# Altium PCB TIMESTICK_2.1.PcbDoc (part 1 of 2) (continued)
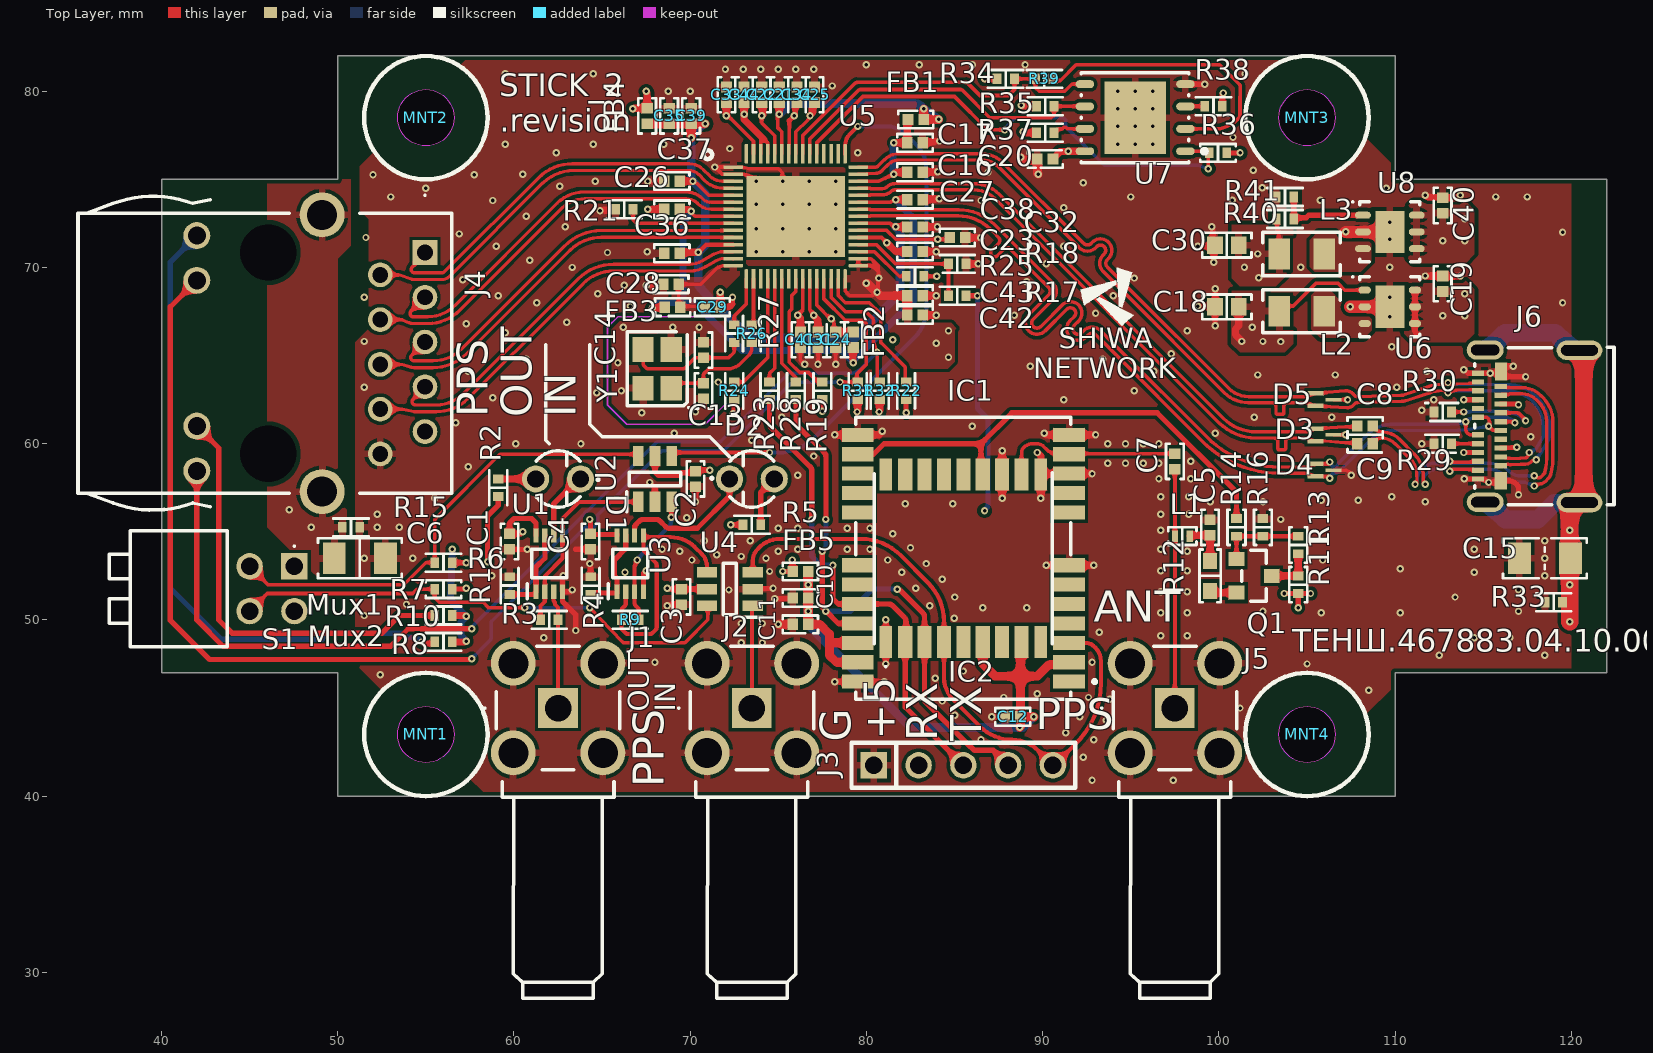
[diagram p0: Top Layer view]
## Components (designator, comment, footprint, x,y, rotation, side; value= is the part's Value field where it differs from the comment)
C1 "0.1 µF" "CAP 0402_1005" 59.75,54.45 r90 top
C2 "0.1 µF" "CAP 0402_1005" 70.3,58 r90 top
C3 "0.1 µF" "CAP 0402_1005" 69.5,51.31 r90 top
C4 "0.1 µF" "CAP 0402_1005" 64.344,54.448 r90 top
C5 "10000 pF" "CAP 0402_1005" 99.5,55.25 r270 top
C6 "1000 pF/2kV" "CAP 1206_3216 - 0.8MM" 51.25,53.5 r0 top
C7 "47 pF" "CAP 0402_1005" 97.5,59 r90 top
C8 "0.1 µF" "CAP 0402_1005" 108.3,61 r180 top
C9 "0.1 µF" "CAP 0402_1005" 108.3,60 r180 top
C10 "1 µF" "CAP 0402_1005" 76.25,51.25 r0 top
C11 "0.1 µF" "CAP 0402_1005" 76.25,49.75 r0 top
C12 "0.1 µF" "CAP 0402_1005" 88.3,44.5 r0 top
C13 "15 pF" "CAP 0402_1005" 70.75,63 r90 top
C14 "15 pF" "CAP 0402_1005" 70.75,65.31 r270 top
C15 "1000 pF/2kV" "CAP 1206_3216 - 0.8MM" 118.5,53.5 r0 top
C16 "1 µF" "CAP 0402_1005" 82.756,75.4 r180 top
C17 "0.1 µF" "CAP 0402_1005" 82.756,77.075 r180 top
C18 "22 µF" "CAP 0603_1608" 100.45,67.767 r0 top
C19 "4.7 µF" "CAP 0402_1005" 112.7,69.077 r270 top
C20 "0.1 µF" "CAP 0402_1005" 90.144,76.15 r0 top
C21 "4.7 µF" "CAP 0402_1005" 75.056,79.8 r270 top
C22 "4.7 µF" "CAP 0402_1005" 74.056,79.8 r270 top
C23 "0.1 µF" "CAP 0402_1005" 82.756,70.9 r180 top
C24 "0.1 µF" "CAP 0402_1005" 78.256,65.9 r90 top
C25 "0.1 µF" "CAP 0402_1005" 77.056,79.8 r270 top
C26 "0.1 µF" "CAP 0402_1005" 68.956,73.3 r0 top
C27 "0.1 µF" "CAP 0402_1005" 82.766,73.85 r180 top
C28 "0.1 µF" "CAP 0402_1005" 68.906,69.05 r0 top
C29 "0.1 µF" "CAP 0402_1005" 71.25,67.75 r180 top
C30 "22 µF" "CAP 0603_1608" 100.45,71.267 r0 top
C31 "0.1 µF" "CAP 0402_1005" 77.256,65.9 r90 top
C32 "0.1 µF" "CAP 0402_1005" 85.156,71.7 r180 top
C33 "0.1 µF" "CAP 0402_1005" 72.056,79.8 r270 top
C34 "0.1 µF" "CAP 0402_1005" 76.056,79.8 r270 top
C35 "4.7 µF" "CAP 0402_1005" 68.806,78.6 r270 top
C36 "0.1 µF" "CAP 0402_1005" 68.956,70.8 r0 top
C37 "0.1 µF" "CAP 0402_1005" 68.956,74.9 r0 top
C38 "0.1 µF" "CAP 0402_1005" 82.756,72.3 r180 top
C39 "0.1 µF" "CAP 0402_1005" 70.056,78.6 r270 top
C40 "4.7 µF" "CAP 0402_1005" 112.7,73.517 r270 top
C41 "0.1 µF" "CAP 0402_1005" 76.256,65.9 r90 top
C42 "0.1 µF" "CAP 0402_1005" 82.756,67.3 r180 top
C43 "0.1 µF" "CAP 0402_1005" 82.756,68.4 r180 top
C44 "0.1 µF" "CAP 0402_1005" 73.056,79.8 r270 top
D1 "L-1154GT" LED_3MM_GREEN 62.5,58 r180 top locked
D2 "L-1154GT" LED_3MM_GREEN 73.5,58 r0 top locked
D3 "TPD2EUSB30" SOT35P100X50-3N 106,60.5 r0 top
D4 "TPD2EUSB30" SOT35P100X50-3N 106,58.5 r0 top
D5 "TPD2EUSB30" SOT35P100X50-3N 106,62.5 r0 top
FB1 "80 Ohms @ 100 MHz" "FER 0402_1005" 82.8,78.4 r180 top
FB2 "80 Ohms @ 100 MHz" "FER 0402_1005" 79.256,65.9 r270 top
FB3 "80 Ohms @ 100 MHz" "FER 0402_1005" 69,67.75 r180 top
FB4 "80 Ohms @ 100 MHz" "FER 0402_1005" 67.556,78.6 r270 top
FB5 "80 Ohms @ 100 MHz" "FER 0402_1005" 76.25,52.75 r0 top
IC1 "NEO-M9N-00B" NEOM9N00B 85.5,53.5 r0 top locked
IC2 "MAX-M10M-00B" MAXM10M00B 85.5,53.5 r270 top
J1 "RF2-49B-T-00-50-G-HDW" RF249BT0050GHDW 62.5,45 r0 top locked
J2 "RF2-49B-T-00-50-G-HDW" RF249BT0050GHDW 73.5,45 r0 top locked
J3 "PBS-5" PBS-5 85.5,41.75 r0 top
J4 "ARJM11B1-805-AB-EW2" ARJM11B1805ABEW2 54.95,70.85 r270 top locked
J5 "RF2-49B-T-00-50-G-HDW" RF249BT0050GHDW 97.5,45 r0 top locked
J6 "1054500101" "Molex 1054500101" 115.355,61 r90 top locked
L1 "27 nH" "Murata LQG15 0402" 97.925,54.75 r180 top
L2 "3.3µH" "IND 1008_2520" 104.7,67.517 r180 top
L3 "3.3µH" "IND 1008_2520" 104.7,70.767 r180 top
MNT1 "MOUNT_HOLE" MOUNT_3mm 55,43.5 r0 top locked
MNT2 "MOUNT_HOLE" MOUNT_3mm 55,78.5 r0 top locked
MNT3 "MOUNT_HOLE" MOUNT_3mm 105,78.5 r0 top locked
MNT4 "MOUNT_HOLE" MOUNT_3mm 105,43.5 r0 top locked
Q1 "DMG2302UKQ-7" "DIODES SOT-23-3" 102,52.5 r0 top
R1 "4.7 kOhms" "YAGEO RES 0402_1005" 59.75,51.95 r90 top
R2 "4.7 kOhms" "YAGEO RES 0402_1005" 59.1,57.5 r270 top
R3 "0 Ohms" "YAGEO RES 0402_1005" 62,50 r180 top
R4 "4.7 kOhms" "YAGEO RES 0402_1005" 64.344,51.948 r270 top
R5 "4.7 kOhms" "YAGEO RES 0402_1005" 73.5,55.4 r180 top
R6 "10 kOhms" "YAGEO RES 0402_1005" 56,53.25 r0 top
R7 "10 kOhms" "YAGEO RES 0402_1005" 56,51.75 r0 top
R8 "330 Ohms" "YAGEO RES 0402_1005" 56,48.75 r0 top
R9 "0 Ohms" "YAGEO RES 0402_1005" 66.6,50 r0 top
R10 "330 Ohms" "YAGEO RES 0402_1005" 56,50.25 r0 top
R11 "0 Ohms" "YAGEO RES 0402_1005" 104.5,52 r270 top
R12 "10 Ohms" "YAGEO RES 0603_1608" 99.5,52.5 r90 top
R13 "0 Ohms" "YAGEO RES 0402_1005" 104.5,54.25 r270 top
R14 "0 Ohms" "YAGEO RES 0402_1005" 101,55.25 r270 top
R15 "1 MOhms" "YAGEO RES 0402_1005" 50.75,55.25 r0 top
R16 "0 Ohms" "YAGEO RES 0402_1005" 102.5,55.25 r90 top
R17 "49.9 kOhms" "YAGEO RES 0402_1005" 85.156,68.4 r0 top
R18 "100 kOhms" "YAGEO RES 0402_1005" 85.156,70.2 r180 top
R19 "10 kOhms" "YAGEO RES 0402_1005" 77.5,63 r270 top
R21 "24 kOhms" "YAGEO RES 0402_1005" 66.256,73.3 r0 top
R22 "47 kOhms" "YAGEO RES 0402_1005" 82.25,63 r270 top
R23 "0 Ohms" "YAGEO RES 0402_1005" 74.5,63 r90 top
R24 "47 kOhms" "YAGEO RES 0402_1005" 72.5,63 r270 top
R25 "47 kOhms" "YAGEO RES 0402_1005" 82.756,69.5 r0 top
R26 "0 Ohms" "YAGEO RES 0402_1005" 73.5,66.25 r90 top
R27 "200 Ohms" "YAGEO RES 0402_1005" 72.5,66.25 r90 top
R28 "0 Ohms" "YAGEO RES 0402_1005" 76,63 r90 top
R29 "5.1 kOhms" "YAGEO RES 0402_1005" 112.7,60 r180 top
R30 "5.1 kOhms" "YAGEO RES 0402_1005" 112.7,61.8 r180 top
R31 "4.7 kOhms" "YAGEO RES 0402_1005" 79.5,63 r90 top
R32 "4.7 kOhms" "YAGEO RES 0402_1005" 80.75,63 r90 top
R33 "1 MOhms" "YAGEO RES 0402_1005" 119,51 r0 top
R34 "4.7 kOhms" "YAGEO RES 0402_1005" 87.9,80.7 r0 top
R35 "4.7 kOhms" "YAGEO RES 0402_1005" 90.144,79.15 r0 top
R36 "4.7 kOhms" "YAGEO RES 0402_1005" 99.95,76.5 r180 top
R37 "4.7 kOhms" "YAGEO RES 0402_1005" 90.144,77.65 r0 top
R38 "4.7 kOhms" "YAGEO RES 0402_1005" 99.694,79.15 r180 top
R39 "22 Ohms" "YAGEO RES 0402_1005" 90.094,80.7 r180 top
R40 "10 kOhms" "YAGEO RES 0402_1005" 103.75,72.75 r0 top
R41 "39.2 kOhms" "YAGEO RES 0402_1005" 103.75,74 r180 top
S1 "DA-02RP" DA02RP 47.54,53.04 r270 top
U1 "NC7WZ125K8X" SOP50P310X90-8N 62,53.2 r90 top
U2 "SN74LVC1G3157DBVR" SOT95P280X145-6N 68,58 r90 top locked
U3 "NC7WZ125K8X" SOP50P310X90-8N 66.594,53.198 r90 top
U4 "SN74LVC1G3157DBVR" SOT95P280X145-6N 72.25,51.75 r180 top
U5 "AX88279" IC_AX88279 75.991,72.9 r0 top locked
U6 "ST1S06PU33R" DFN6D_L 109.7,67.767 r0 top
U7 "SST25VF016B-50-4I-QAF-T" FP-C04-452-MFG 95.25,78.5 r180 top
U8 "ST1S06PUR" DFN6D_M 109.7,72.017 r0 top
Y1 "25 MHz" "NDK NX3225GA" 68.122,64.25 r90 top

## Footprints (in the part's own frame and the unit in brackets; to place one, negate y for a bottom-side part, rotate by r counter-clockwise, add the part's x,y. Pads: shape width x height; smd on the part's side, far side on the other; paste and mask are expansions set on the pad)
ARJM11B1805ABEW2 [mm]
  rect 1.4x1.4 hole 0.9: 1(0,0)
  round 1.4 hole 0.9: 2(1.27,-2.54) 3(2.54,0) 4(3.81,-2.54) 5(5.08,0) 6(6.35,-2.54) 7(7.62,0) 8(8.89,-2.54) 9(10.16,0) 10(11.43,-2.54)
  round 1.53 hole 1.02: 11(-0.96,-12.95) 12(1.58,-12.95) 13(9.85,-12.95) 14(12.39,-12.95)
  round 2.55 hole 1.7: 15(-2.135,-5.84) 16(13.565,-5.84)
  round 1.6 hole 3.2 unplated: 17(0,-8.89) 18(11.43,-8.89)
  silkscreen extent -3.3,-19.69 14.61,1.51, body extent -2.74,-19.74 14.17,1.76, height 14.15
"CAP 0402_1005" [mm] "Chip Capacitor, 2-Leads, Body 1.02x0.51mm, IPC Medium Density"
  rect 0.6x0.64 smd: 1(-0.44,0) 2(0.44,0)
  silkscreen extent -1,-0.5 1,0.5, body extent -0.5,-0.26 0.5,0.26, height 0.52
"CAP 0603_1608" [mm] "Chip Capacitor, 2-Leads, Body 1.60x0.80mm, IPC Medium Density"
  rect 0.9x1 smd: 1(-0.675,0) 2(0.675,0)
  silkscreen extent -1.4,-0.7 1.4,0.7, body extent -0.8,-0.41 0.8,0.41, height 0.82
"CAP 1206_3216 - 0.8MM" [mm] "Chip Capacitor, 2-Leads, Body 3.25x1.60mm, IPC Medium Density"
  rect 1.3x1.8 smd: 1(-1.45,0) 2(1.45,0)
  silkscreen extent -2.37,-1.12 2.37,1.12, body extent -1.6,-0.8 1.6,0.8, height 0.8
DA02RP [mm]
  rect 1.5x1.5 hole 1: 1(0,0)
  round 1.5 hole 1: 2(2.54,0) 3(0,-2.54) 4(2.54,-2.54)
  silkscreen extent -2.03,-10.51 4.57,0.05, body extent -2.03,-9.87 4.57,0.11, height 9.95
DFN6D_L [mm] "SON, 6-Leads, Body 3x3mm, Pitch 0.95mm, Thermal Pad 2.4x1.65mm, IPC High Density"
  oval 0.7x0.4 smd: 1(-1.425,0.95) 2(-1.425,0) 3(-1.425,-0.95) 4(1.425,-0.95) 5(1.425,0) 6(1.425,0.95)
  rect 1.65x2.4 smd: 7(0,0)
  silkscreen extent -2.15,-1.7 1.7,1.75, body extent -1.55,-1.55 1.55,1.55, height 0.95
DFN6D_M [mm] "SON, 6-Leads, Body 3x3mm, Pitch 0.95mm, Thermal Pad 2.4x1.65mm, IPC Low Density"
  oval 0.9x0.4 smd: 1(-1.525,0.95) 2(-1.525,0) 3(-1.525,-0.95) 4(1.525,-0.95) 5(1.525,0) 6(1.525,0.95)
  rect 1.65x2.4 smd: 7(0,0)
  silkscreen extent -2.15,-1.7 1.7,1.75, body extent -1.55,-1.55 1.55,1.55, height 0.95
"DIODES SOT-23-3" [mm] "SOT23, 3-Leads, Body 2.90x2.40mm, Pitch 0.95mm, IPC Medium Density"
  rect 0.9x0.8 smd: 1(-1,0.95) 2(-1,-0.95) 3(1,0)
  silkscreen extent -0.7,-1.45 0.7,1.45, body extent -1.41,-1.45 1.41,1.45, height 1.5
"FER 0402_1005" [mm] "Chip Ferrite, 2-Leads, Body 1.02x0.51mm, IPC Medium Density"
  rect 0.6x0.64 smd: 1(-0.44,0) 2(0.44,0)
  silkscreen extent -1,-0.5 1,0.5, body extent -0.5,-0.26 0.5,0.26, height 0.52
FP-C04-452-MFG [mm]
  rrect100% 1.05x0.45 smd paste+0 mask+0: 1(-2.85,1.905) 2(-2.85,0.635) 3(-2.85,-0.635) 4(-2.85,-1.905) 5(2.85,-1.905) 6(2.85,-0.635) 7(2.85,0.635) 8(2.85,1.905)
  rect 3.5x4.1 smd paste+0 mask+0: 9(0,0)
  silkscreen extent -4.05,-2.55 3.05,2.55, body extent -3.47,-2.65 3.47,2.65, height 0.25
IC_AX88279 [mm]
  rrect50% 1.1x0.2 smd: 1(-3.55,2.8) 15(-3.55,-2.8) 31(3.55,-2.8) 45(3.55,2.8)
  rect 1.1x0.2 smd: 2(-3.55,2.4) 3(-3.55,2) 4(-3.55,1.6) 5(-3.55,1.2) 6(-3.55,0.8) 7(-3.55,0.4) 8(-3.55,0) 9(-3.55,-0.4) 10(-3.55,-0.8) 11(-3.55,-1.2) 12(-3.55,-1.6) 13(-3.55,-2) 14(-3.55,-2.4) 32(3.55,-2.4) 33(3.55,-2) 34(3.55,-1.6) 35(3.55,-1.2) 36(3.55,-0.8) 37(3.55,-0.4) 38(3.55,0) 39(3.55,0.4) 40(3.55,0.8) 41(3.55,1.2) 42(3.55,1.6) 43(3.55,2) 44(3.55,2.4)
  rrect50% 0.2x1.1 smd: 16(-2.8,-3.55) 30(2.8,-3.55) 46(2.8,3.55) 60(-2.8,3.55)
  rect 0.2x1.1 smd: 17(-2.4,-3.55) 18(-2,-3.55) 19(-1.6,-3.55) 20(-1.2,-3.55) 21(-0.8,-3.55) 22(-0.4,-3.55) 23(0,-3.55) 24(0.4,-3.55) 25(0.8,-3.55) 26(1.2,-3.55) 27(1.6,-3.55) 28(2,-3.55) 29(2.4,-3.55) 47(2.4,3.55) 48(2,3.55) 49(1.6,3.55) 50(1.2,3.55) 51(0.8,3.55) 52(0.4,3.55) 53(0,3.55) 54(-0.4,3.55) 55(-0.8,3.55) 56(-1.2,3.55) 57(-1.6,3.55) 58(-2,3.55) 59(-2.4,3.55)
  rect 5.6x4.6 smd paste-2539.97: 61(0,0)
  silkscreen extent -5.25,3.25 -4.75,3.75, body extent -3.5,-3.5 3.5,3.5, height 0.85
"IND 1008_2520" [mm] "Chip Inductance, 2-leads, Body 2.5x2.1mm, IPC Medium Density"
  rect 1.2x1.75 smd: 1(-1.275,0) 2(1.275,0)
  silkscreen extent -2.18,-1.22 2.2,1.22, body extent -1.3,-1.05 1.3,1.05, height 1
LED_3MM_GREEN [mm]
  round 1.54 hole 0.98: A(1.27,0) C(-1.27,0)
  silkscreen extent -2.32,-1.6 1.25,1.6, body extent -1.6,-1.6 1.6,1.6, height 16.5
MAXM10M00B [mm]
  rect 1.8x0.7 smd: 1(4.75,-4.4) 9(4.75,4.4) 10(-4.75,4.4) 18(-4.75,-4.4)
  rect 1.8x0.8 smd: 2(4.75,-3.3) 3(4.75,-2.2) 4(4.75,-1.1) 5(4.75,0) 6(4.75,1.1) 7(4.75,2.2) 8(4.75,3.3) 11(-4.75,3.3) 12(-4.75,2.2) 13(-4.75,1.1) 14(-4.75,0) 15(-4.75,-1.1) 16(-4.75,-2.2) 17(-4.75,-3.3)
  silkscreen extent -4.85,-5.05 6.2,5.05, body extent -4.85,-5.05 4.85,5.05, height 2.5
"Molex 1054500101" [mm] "USB-C Receptacle Connector 24 Position Surface Mount, 24 Position, Body 8.94x7.90mm"
  rect 0.3x0.7 smd: A1(-3,0.655) A2(-2.5,0.655) A3(-2,0.655) A4(-1.5,0.655) A5(-1,0.655) A6(-0.5,0.655) A7(0.5,0.655) A8(1,0.655) A9(1.5,0.655) A10(2,0.655) A11(2.5,0.655) A12(3,0.655) B2(2.25,-0.645) B3(1.75,-0.645) B4(1.25,-0.645) B5(0.75,-0.645) B6(0.25,-0.645) B7(-0.25,-0.645) B8(-0.75,-0.645) B9(-1.25,-0.645) B10(-1.75,-0.645) B11(-2.25,-0.645)
  rect 1x0.7 smd: B1(3.1,-0.655) B12(-3.1,-0.645)
  oval 1.1x2.6 hole 2.1 slot 0.6 at 0 deg: S(-4.34,-5.105) S(4.3,-5.105)
  oval 1.1x2.1 hole 1.6 slot 0.6 at 0 deg: S(-4.32,0.245) S(4.32,0.245)
  silkscreen extent -4.47,-7.07 4.47,0.83, body extent -4.47,-7.07 4.47,0.83, height 3.21
MOUNT_3mm [mm] "H3/OUT6"
  round 0 hole 3.2 unplated: ""(0,0)
  Keep-Out Layer board cut-out: 0,-1.6 -0.612,-1.478 -1.131,-1.131 -1.478,-0.612 -1.6,0 -1.6,0 -1.478,0.612 -1.131,1.131 -0.612,1.478 0,1.6 0,1.6 0.612,1.478 1.131,1.131 1.478,0.612 1.6,0 1.6,0 1.478,-0.612 1.131,-1.131 0.612,-1.478 0,-1.6 hole: 0,-1.6 0,-1.6 0,-1.6
  Multi-Layer pour cut-out: 0,-3.5 -1.339,-3.234 -2.475,-2.475 -3.234,-1.339 -3.5,0 -3.5,0 -3.031,1.75 -1.75,3.031 0,3.5 0,3.5 1.339,3.234 2.475,2.475 3.234,1.339 3.5,0 3.5,0 3.234,-1.339 2.475,-2.475 1.339,-3.234 0,-3.5
  silkscreen extent -3.5,-3.5 3.5,3.5
"Murata LQG15 0402" [mm] "Chip Inductor, 2-Leads, Body 1.00x0.50mm, IPC High Density"
  rect 0.35x0.65 smd: 1(-0.425,0) 2(0.425,0)
  silkscreen extent -0.8,-0.5 0.8,0.5, body extent -0.52,-0.27 0.53,0.28, height 0.55
"NDK NX3225GA" [mm] "Crystal, 4-Leads, Body 2.50x3.20mm, Pitch 2.20mm, IPC Medium Density"
  rect 1.4x1.2 smd: 1(-1.1,-0.8) 2(1.1,-0.8) 3(1.1,0.8) 4(-1.1,0.8)
  silkscreen extent -2.25,-1.85 2.1,1.7, body extent -1.61,-1.26 1.61,1.26, height 0.75
NEOM9N00B [mm]
  rect 1.8x0.8 smd: 1(6,-7) 2(6,-5.9) 3(6,-4.8) 4(6,-3.7) 5(6,-2.6) 6(6,-1.5) 7(6,-0.4) 8(6,2.6) 9(6,3.7) 10(6,4.8) 11(6,5.9) 12(6,7) 13(-6,7) 14(-6,5.9) 15(-6,4.8) 16(-6,3.7) 17(-6,2.6) 18(-6,-0.4) 19(-6,-1.5) 20(-6,-2.6) 21(-6,-3.7) 22(-6,-4.8) 23(-6,-5.9) 24(-6,-7)
  silkscreen extent -6.1,-8 7.55,8, body extent -6.1,-8 6.1,8, height 2.6
PBS-5 [mm]
  rect 1.5x1.5 hole 1: 1(-5.08,0)
  round 1.5 hole 1: 2(-2.54,0) 3(0,0) 4(2.54,0) 5(5.08,0)
  silkscreen extent -6.35,-1.27 6.35,1.27, body extent -6.6,-1.25 6.6,1.25, height 8.5
RF249BT0050GHDW [mm]
  rect 2.25x2.25 hole 1.5: 1(0,0)
  round 2.55 hole 1.7: 2(-2.54,-2.54) 3(2.54,-2.54) 4(2.54,2.54) 5(-2.54,2.54)
  silkscreen extent -4.2,-16.47 3.5,3.5, body extent -5.1,-16.43 5.1,3.54, height 12.08
SOP50P310X90-8N [mm]
  rect 0.8x0.3 smd: 1(-1.6,0.75) 2(-1.6,0.25) 3(-1.6,-0.25) 4(-1.6,-0.75) 5(1.6,-0.75) 6(1.6,-0.25) 7(1.6,0.25) 8(1.6,0.75)
  silkscreen extent -2,-1 0.8,1.25, body extent -1.55,-1 1.55,1, height 0.9
SOT35P100X50-3N [mil]
  rect 36x10 smd: 1(-20,14) 2(-20,-14)
  rect 36x8 smd: 3(20,0)
  body extent -20,-20 20,20, height 19
SOT95P280X145-6N [mm]
  rect 1.15x0.6 smd: 1(-1.3,0.95) 2(-1.3,0) 3(-1.3,-0.95) 4(1.3,-0.95) 5(1.3,0) 6(1.3,0.95)
  silkscreen extent -1.88,-1.46 0.38,1.6, body extent -1.4,-1.46 1.4,1.46, height 1.45
"YAGEO RES 0402_1005" [mm] "Chip Resistor, 2-Leads, Body 1.0x0.5mm"
  rect 0.5x0.6 smd: 1(-0.5,0) 2(0.5,0)
  silkscreen extent -1,-0.51 1,0.51, body extent -0.5,-0.25 0.5,0.25, height 0.35
"YAGEO RES 0603_1608" [mm] "Chip Resistor, 2-Leads, Body 1.60x0.80mm"
  rect 0.9x0.8 smd: 1(-0.85,0) 2(0.85,0)
  silkscreen extent -1.5,-0.6 1.5,0.6, body extent -0.8,-0.4 0.8,0.4, height 0.45

## Part data
C1 C2 C3 C4 C8 C9 C11 C12 C17 C20 C23 C24 C25 C26 C27 C28 C29 C31 C32 C33 C34 C36 C37 C38 C39 C41 C42 C43 C44: library part CC0402KRX7R6BB104, "CAP CER 0.1UF 10V X7R 0402", Device Package="0402 (1005 Metric)", Manufacturer=Yageo, Operating Temperature="-55°C ~ 125°C", Supplier Part Number 1=311-1345-1-ND, Temperature Coefficient=X7R, Tolerance=±10%, Voltage - Rated=10V, Applications="General Purpose", Capacitance="0.1 µF", componentlink1description=Datasheet, componentlink1url=https://www.yageo.com/upload/media/product/productsearch/datasheet/mlcc/UPY-GPHC_X7R_6.3V-to-50V_18.pdf, componentlink2description="DigiKey Link", componentlink2url=https://www.digikey.com/en/products/detail/yageo/CC0402KRX7R6BB104/2103083, LastUpdated="09.02.2024 20:04:34", Lifecycle Status=Active, Minimum Order=10, Mounting Type="Surface Mount, MLCC", Package / Case="0402 (1005 Metric)", packaging=CutTape, Part Number=CC0402KRX7R6BB104, Part Status=Active, partid=3877, Price=0.01, series=CC, Size / Dimension="0.039\" L x 0.020\" W (1.00mm x 0.50mm)", Supplier 1=DigiKey, Thickness (Max)="0.022\" (0.55mm)"
C5: library part CC0402KRX7R9BB103, "CAP CER 10000PF 50V X7R 0402", Device Package="0402 (1005 Metric)", Manufacturer=Yageo, Operating Temperature="-55°C ~ 125°C", Supplier Part Number 1=311-1349-1-ND, Temperature Coefficient=X7R, Tolerance=±10%, Voltage - Rated=50V, Applications="General Purpose", Capacitance="10000 pF", componentlink1description=Datasheet, componentlink1url=https://www.yageo.com/upload/media/product/productsearch/datasheet/mlcc/UPY-GPHC_X7R_6.3V-to-50V_18.pdf, componentlink2description="DigiKey Link", componentlink2url=https://www.digikey.com/en/products/detail/yageo/CC0402KRX7R9BB103/2103087, LastUpdated="09.02.2024 20:04:30", Lifecycle Status=Active, Minimum Order=10, Mounting Type="Surface Mount, MLCC", Package / Case="0402 (1005 Metric)", packaging=CutTape, Part Number=CC0402KRX7R9BB103, Part Status=Active, partid=6681, Price=0.01, series=CC, Size / Dimension="0.039\" L x 0.020\" W (1.00mm x 0.50mm)", Supplier 1=DigiKey, Thickness (Max)="0.022\" (0.55mm)"
C6 C15: library part CC1206KKX7RDBB102, "CAP CER 1000PF 2KV X7R 1206", Capacitance="1000 pF", Device Package="1206 (3216 Metric)", Manufacturer=Yageo, Operating Temperature="-55°C ~ 125°C", Supplier Part Number 1=311-1487-1-ND, Temperature Coefficient=X7R, Tolerance=±10%, Voltage - Rated="2000V (2kV)", Applications="General Purpose", componentlink1description=Datasheet, componentlink1url=https://www.yageo.com/upload/media/product/productsearch/datasheet/mlcc/UPY-NP0X7R_HV_1KV-to-3KV_11.pdf, componentlink2description="DigiKey Link", componentlink2url=https://www.digikey.com/en/products/detail/yageo/CC1206KKX7RDBB102/2833652, Features="High Voltage", LastUpdated="04.06.2024 19:10:41", Lifecycle Status=Active, Minimum Order=1, Mounting Type="Surface Mount, MLCC", Package / Case="1206 (3216 Metric)", packaging=TapeAndReel, Part Number=CC1206KKX7RDBB102, Part Status=Active, partid=19484, Price=0.06, series=CC, Size / Dimension="0.126\" L x 0.063\" W (3.20mm x 1.60mm)", Supplier 1=DigiKey, Thickness (Max)="0.057\" (1.45mm)"
C7: library part CC0402KRNPO9BN470, "CAP CER 47PF 50V C0G/NPO 0402", Device Package="0402 (1005 Metric)", Manufacturer=Yageo, Operating Temperature="-55°C ~ 125°C", Supplier Part Number 1=311-3783-1-ND, Temperature Coefficient="C0G, NP0", Tolerance=±10%, Voltage - Rated=50V, Applications="General Purpose", Capacitance="47 pF", componentlink1description=Datasheet, componentlink1url=https://www.yageo.com/upload/media/product/productsearch/datasheet/mlcc/UPY-GP_NP0_16V-to-50V_17.pdf, componentlink2description="DigiKey Link", componentlink2url=https://www.digikey.com/en/products/detail/yageo/CC0402KRNPO9BN470/5883324, LastUpdated="09.02.2024 20:04:34", Lifecycle Status=Active, Minimum Order=10, Mounting Type="Surface Mount, MLCC", Package / Case="0402 (1005 Metric)", packaging=CutTape, Part Number=CC0402KRNPO9BN470, Part Status=Active, partid=3939, Price=0.01, series=CC, Size / Dimension="0.039\" L x 0.020\" W (1.00mm x 0.50mm)", Supplier 1=DigiKey, Thickness (Max)="0.022\" (0.55mm)"
C10 C16: library part CC0402KRX5R6BB105, "CAP CER 1UF 10V X5R 0402", Device Package="0402 (1005 Metric)", Manufacturer=Yageo, Operating Temperature="-55°C ~ 85°C", Supplier Part Number 1=311-1439-1-ND, Temperature Coefficient=X5R, Tolerance=±10%, Voltage - Rated=10V, Applications="General Purpose", Capacitance="1 µF", componentlink1description=Datasheet, componentlink1url=https://www.yageo.com/upload/media/product/productsearch/datasheet/mlcc/UPY-GPHC_X5R_4V-to-50V_25.pdf, componentlink2description="DigiKey Link", componentlink2url=https://www.digikey.com/en/products/detail/yageo/CC0402KRX5R6BB105/2833604, LastUpdated="09.02.2024 20:04:31", Lifecycle Status=Active, Minimum Order=1, Mounting Type="Surface Mount, MLCC", Package / Case="0402 (1005 Metric)", packaging=TapeAndReel, Part Number=CC0402KRX5R6BB105, Part Status=Active, partid=44232, Price=0.01, series=CC, Size / Dimension="0.039\" L x 0.020\" W (1.00mm x 0.50mm)", Supplier 1=DigiKey, Thickness (Max)="0.022\" (0.55mm)"
C13 C14: library part CC0402KRNPO9BN150, "CAP CER 15PF 50V C0G/NPO 0402", Device Package="0402 (1005 Metric)", Manufacturer=Yageo, Operating Temperature="-55°C ~ 125°C", Supplier Part Number 1=311-3780-1-ND, Temperature Coefficient="C0G, NP0", Tolerance=±10%, Voltage - Rated=50V, Applications="General Purpose", Capacitance="15 pF", componentlink1description=Datasheet, componentlink1url=https://www.yageo.com/upload/media/product/productsearch/datasheet/mlcc/UPY-GP_NP0_16V-to-50V_17.pdf, componentlink2description="DigiKey Link", componentlink2url=https://www.digikey.com/en/products/detail/yageo/CC0402KRNPO9BN150/5883321, LastUpdated="09.02.2024 20:04:34", Lifecycle Status=Active, Minimum Order=10, Mounting Type="Surface Mount, MLCC", Package / Case="0402 (1005 Metric)", packaging=CutTape, Part Number=CC0402KRNPO9BN150, Part Status=Active, partid=3947, Price=0.01, series=CC, Size / Dimension="0.039\" L x 0.020\" W (1.00mm x 0.50mm)", Supplier 1=DigiKey, Thickness (Max)="0.022\" (0.55mm)"
C18 C30: library part CC0603MRX5R6BB226, "CAP CER 22UF 10V X5R 0603", Device Package="0603 (1608 Metric)", Manufacturer=Yageo, Operating Temperature="-55°C ~ 85°C", Supplier Part Number 1=311-1819-1-ND, Temperature Coefficient=X5R, Tolerance=±20%, Voltage - Rated=10V, Applications="General Purpose", Capacitance="22 µF", componentlink1description=Datasheet, componentlink1url=https://www.yageo.com/upload/media/product/productsearch/datasheet/mlcc/UPY-GPHC_X5R_4V-to-50V_26.pdf, componentlink2description="DigiKey Link", componentlink2url=https://www.digikey.com/en/products/detail/yageo/CC0603MRX5R6BB226/5195226, LastUpdated="09.02.2024 20:09:50", Lifecycle Status=Active, Minimum Order=1, Mounting Type="Surface Mount, MLCC", Package / Case="0603 (1608 Metric)", packaging=TapeAndReel, Part Number=CC0603MRX5R6BB226, Part Status=Active, partid=45305, Price=0.16, series=CC, Size / Dimension="0.063\" L x 0.031\" W (1.60mm x 0.80mm)", Supplier 1=DigiKey, Thickness (Max)="0.035\" (0.90mm)"
C19 C21 C22 C35 C40: library part CC0402MRX5R6BB475, "CAP CER 4.7UF 10V X5R 0402", Device Package="0402 (1005 Metric)", Manufacturer=Yageo, Operating Temperature="-55°C ~ 85°C", Supplier Part Number 1=311-1734-1-ND, Temperature Coefficient=X5R, Tolerance=±20%, Voltage - Rated=10V, Applications="General Purpose", Capacitance="4.7 µF", componentlink1description=Datasheet, componentlink1url=https://www.yageo.com/upload/media/product/productsearch/datasheet/mlcc/UPY-GPHC_X5R_4V-to-50V_25.pdf, componentlink2description="DigiKey Link", componentlink2url=https://www.digikey.com/en/products/detail/yageo/CC0402MRX5R6BB475/5195143, LastUpdated="09.02.2024 20:04:16", Lifecycle Status=Active, Minimum Order=1, Mounting Type="Surface Mount, MLCC", Package / Case="0402 (1005 Metric)", packaging=TapeAndReel, Part Number=CC0402MRX5R6BB475, Part Status=Active, partid=27083, Price=0.01, series=CC, Size / Dimension="0.039\" L x 0.020\" W (1.00mm x 0.50mm)", Supplier 1=DigiKey, Thickness (Max)="0.026\" (0.65mm)"
D1 D2: "LED, 3mm, Green", Manufacturer_Name=Kingbright, Mouser Part Number=N/A, Datasheet Link=https://static.chipdip.ru/lib/195/DOC000195138.pdf, Manufacturer_Part_Number=L-1154GT, Mouser Price/Stock=https://www.mouser.co.uk/ProductDetail/Kingbright/L-1154GT?qs=2JU0tDl2GZ2IKSfxbyKuMQ%3D%3D
D3 D4 D5: library part TPD2EUSB30ADRTR, "TVS DIODE 3.6VWM 8VC SOT3", Manufacturer_Name="Texas Instruments", Mouser Part Number=595-TPD2EUSB30ADRTR, Arrow Part Number=TPD2EUSB30ADRTR, Arrow Price/Stock=https://www.arrow.com/en/products/tpd2eusb30adrtr/texas-instruments?utm_currency=USD&region=nac, Datasheet Link=http://www.ti.com/lit/gpn/tpd2eusb30a, Manufacturer_Part_Number=TPD2EUSB30ADRTR, Mouser Price/Stock=https://www.mouser.co.uk/ProductDetail/Texas-Instruments/TPD2EUSB30ADRTR?qs=O1HRStiETCgOfMa6oTfOlg%3D%3D
FB1 FB2 FB3 FB4 FB5: library part BLM15PD800SN1D, "FERRITE BEAD 80 OHM 0402 1LN", Current Rating (Max)=1.5A, DC Resistance (DCR) (Max)=70mOhm, Device Package="0402 (1005 Metric)", Manufacturer="Murata Electronics", Operating Temperature="-55°C ~ 125°C", Supplier Part Number 1=490-5202-1-ND, componentlink1description=Datasheet, componentlink1url=https://www.murata.com/en-us/products/productdata/8796740059166/ENFA0018.pdf, componentlink2description="DigiKey Link", componentlink2url=https://www.digikey.com/en/products/detail/murata-electronics/BLM15PD800SN1D/1948308, Filter Type="Power Line", Height (Max)="0.022\" (0.55mm)", Impedance @ Frequency="80 Ohms @ 100 MHz", LastUpdated="03.06.2024 19:51:04", Lifecycle Status=Active, Minimum Order=1, Mounting Type="Surface Mount", Number of Lines=1, Package / Case="0402 (1005 Metric)", packaging=TapeAndReel, Part Number=BLM15PD800SN1D, Part Status=Active, partid=403, Price=0.02, series="EMIFIL®, BLM15", Size / Dimension="0.039\" L x 0.022\" W (1.00mm x 0.55mm)", Supplier 1=DigiKey
IC1: "Integrated Circuit", Manufacturer_Name=u-blox, Mouser Part Number=377-NEO-M9N-00B, Arrow Part Number=NEO-M9N-00B, Arrow Price/Stock=https://www.arrow.com/en/products/neo-m9n-00b/u-blox?utm_currency=USD&region=nac, Datasheet Link=https://content.u-blox.com/sites/default/files/NEO-M9N-00B_DataSheet_UBX-19014285.pdf, Height=2.6mm, Manufacturer_Part_Number=NEO-M9N-00B, Mouser Price/Stock=https://www.mouser.co.uk/ProductDetail/u-blox/NEO-M9N-00B?qs=DPoM0jnrROVeJ6BHpcwcjw%3D%3D
IC2: "Integrated Circuit", Manufacturer_Name=u-blox, Mouser Part Number=377-MAX-M10M-00B, Datasheet Link=https://content.u-blox.com/sites/default/files/documents/MAX-M10M_IntegrationManual_UBX-22038241.pdf, Height=2.7mm, Manufacturer_Part_Number=MAX-M10M-00B, Mouser Price/Stock=https://www.mouser.co.uk/ProductDetail/u-blox/MAX-M10M-00B?qs=A6eO%252BMLsxmQGh8%2FJ1ZmexA%3D%3D
J1 J2 J5: "Connector", Manufacturer_Name="Adam Tech", Arrow Part Number=RF2-49B-T-00-50-G-HDW, Arrow Price/Stock=https://www.arrow.com/en/products/rf2-49b-t-00-50-g-hdw/adam-tech?region=nac, Datasheet Link=https://www.digikey.com/en/products/detail/adam-tech/RF2-49B-T-00-50-G-HDW/9831420?msockid=3e3afa68a50969ca3057ef1ca4c9684b, Height=10.958mm, Manufacturer_Part_Number=RF2-49B-T-00-50-G-HDW
J3: "Connector", Manufacturer=Connfly, Part Number=PBD-5, Part Number1=DS-1023-1x5, System=Connector
J4: "Connector", Manufacturer_Name=ABRACON, Mouser Part Number=815-RJM11B1805ABEW2, Arrow Part Number=ARJM11B1-805-AB-EW2, Arrow Price/Stock=https://www.arrow.com/en/products/arjm11b1-805-ab-ew2/abracon?region=nac, Datasheet Link=https://abracon.com/Magnetics/ARJM11.pdf, Height=13.75mm, Manufacturer_Part_Number=ARJM11B1-805-AB-EW2, Mouser Price/Stock=https://www.mouser.co.uk/ProductDetail/ABRACON/ARJM11B1-805-AB-EW2?qs=YCa%2FAAYMW02bp%252BSCNzjdNA%3D%3D
J6: "CONN RCP USB3.1 TYPEC 24P SMD RA", Current Rating (Amps)="0.25A, 1A, 5A", Manufacturer=Molex, Operating Temperature="-30°C ~ 85°C", Supplier Part Number 1=WM12856CT-ND, Voltage - Rated=30VAC/DC, componentlink1description=Datasheet, componentlink1url=https://www.molex.com/pdm_docs/ps/PS-105448-001.pdf, componentlink2description="DigiKey Link", componentlink2url=http://digikey.com/product-detail/en/molex/1054500101/WM12856CT-ND/5843891, Connector Type="USB - C (Type - C)", Gender=Receptacle, LastUpdated="06.06.2020 2:14:04", Lifecycle Status=Active, Mating Cycles=10000, Minimum Order=1, Mounting Feature=Horizontal, Mounting Type="Surface Mount, Right Angle; Through Hole", Number of Contacts=24, Number of Ports=1, packaging=TapeAndReel, Part Number=1054500101, Part Status=Active, Price=1.22, series=105445, Shielding=Shielded, Specifications="USB 3.1 (USB 3.1 Gen 2, Superspeed+)", Supplier 1=DigiKey, Termination=Solder
L1: library part LQG15HS27NJ02D, "FIXED IND 27NH 350MA 0.46OHM SMD", Current Rating (Amps)="350 mA", DC Resistance (DCR)="460mOhm Max", Device Package="0402 (1005 Metric)", Frequency - Self Resonant=1.7GHz, Inductance Frequency - Test="100 MHz", Manufacturer="Murata Electronics", Operating Temperature="-55°C ~ 125°C", Q @ Freq="8 @ 100MHz", Supplier Part Number 1=490-2628-1-ND, Tolerance=±5%, componentlink1description=Datasheet, componentlink1url=https://search.murata.co.jp/Ceramy/image/img/P02/JELF243B-0010.pdf, componentlink2description="DigiKey Link", componentlink2url=https://www.digikey.com/en/products/detail/murata-electronics/LQG15HS27NJ02D/662877, Height - Seated (Max)="0.022\" (0.55mm)", Inductance="27 nH", LastUpdated="19.07.2024 23:59:52", Lifecycle Status=Active, Material - Core=Air, Minimum Order=1, Mounting Type="Surface Mount", Package / Case="0402 (1005 Metric)", packaging=TapeAndReel, Part Number=LQG15HS27NJ02D, Part Status=Active, partid=2962, Price=0.02, series=LQG15, Shielding=Unshielded, Size / Dimension="0.039\" L x 0.020\" W (1.00mm x 0.50mm)", Supplier 1=DigiKey, Supplier Device Package="0402 (1005 Metric)", Type=Multilayer